# Altium PCB MainBoard_Layout_V2.PcbDoc (part 3 of 4)
Units mil, origin at the board's own origin, x right, y up, seen from the top; angles counter-clockwise.
Board outline 6119.77 x 4182.8 mil, 4 copper layers (Top Layer 1, Top Layer, Bottom Layer, Bottom Layer 1), stack 19.156 mil thick; 239 components, 227 nets, 1028 pads, 670 vias.
Unrouted connection lines stored in the file: 2.
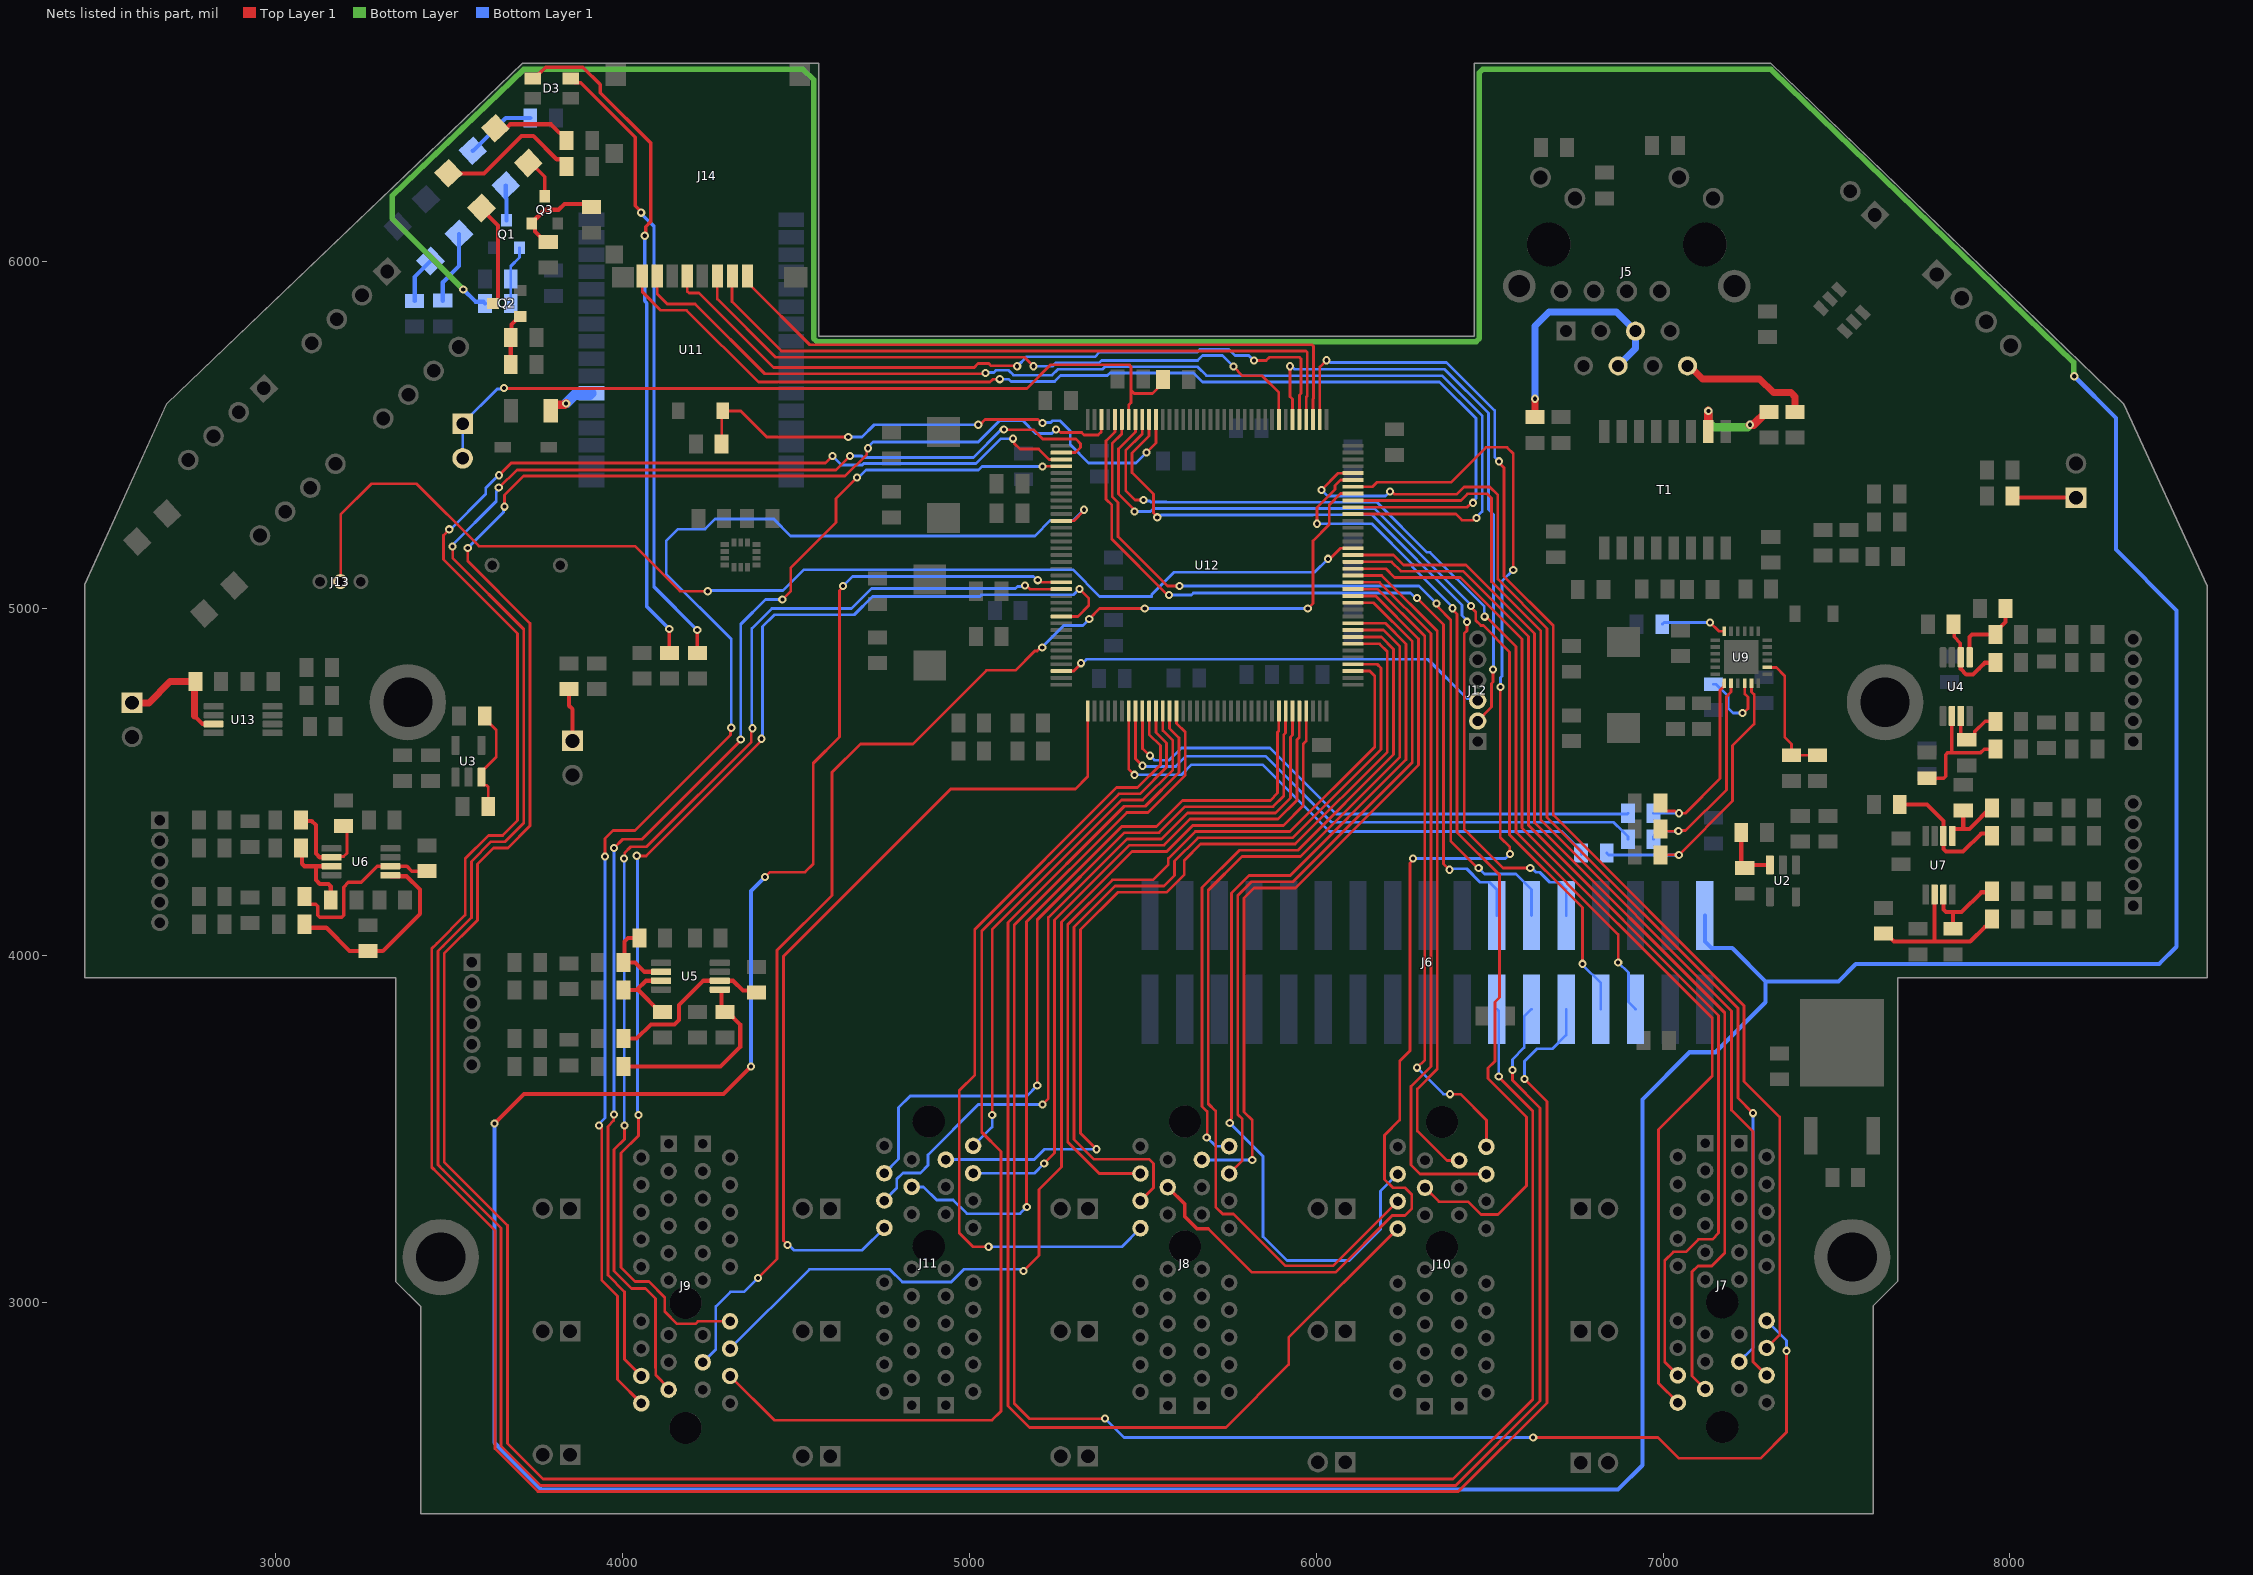
[diagram p5: the nets of this part, all layers, seen from the top]

## Via types
v1: diameter 23.62, hole 11.81, Top Layer 1 to Bottom Layer 1, tented both sides, 452 vias
v2: diameter 23.62, hole 11.81, Top Layer 1 to Bottom Layer 1, 166 vias
v3: diameter 23.62, hole 11.81, Top Layer 1 to Bottom Layer 1, tented bottom, 48 vias
v4: diameter 23.62/23.62/23.62/23.62 (per signal layer), hole 11.81, Top Layer 1 to Bottom Layer 1, 2 vias
v5: diameter 30, hole 15, Top Layer 1 to Bottom Layer 1, tented both sides, 1 vias
v6: diameter 23.62, hole 11.81, Top Layer 1 to Bottom Layer 1, tented top, 1 vias

## Nets (pads, with @x,y where several pads share a name; then routed paths per layer and width w, separated by ;. In a path a pad name is that pad's centre, name@x,y a point inside that pad or via, vN(x,y) a via of type N, cw(c..) or ccw(c..) an arc to the next point about the centre after c; other vN are vias at no path point) (continued)
NetD3_3: D3.3 R89.2 | length 1986.2
  Top Layer 1 w10: D3.3@3740.34,6528.42 3746.25,6528.42 3758.96,6541.14 3758.96,6542.09 3778.01,6561.14 3885.13,6561.14 3935.19,6511.08 3935.19,6487.83 4080.46,6342.55 4080.46,6114.85 4066.26,6100.65 4066.26,6077.48 v1(4063.65,6074.88) ; v3(4134.37,4940.97) 4134.37,4872.97 R89.2@4135.46,4871.88 4137.46,4871.88 R89.2@4150.46,4884.88
  Bottom Layer 1 w10: v1(4063.65,6074.88) 4063.65,5886.84 4069.46,5881.03 4069.46,5005.88 v3(4134.37,4940.97)
NetD3_4: D3.4 R88.2 | length 1819.4
  Top Layer 1 w10: D3.4@3850.58,6528.42 3863.29,6515.7 3879.03,6515.7 3903.4,6491.33 4035.92,6358.81 4035.92,6161.63 4053.46,6144.09 v1(4053.46,6141.45) ; v3(4215.23,4938.07) 4215.23,4872.1 R88.2@4215.46,4871.88
  Bottom Layer 1 w10: v1(4053.46,6141.45) 4053.46,6138.88 4090.46,6101.88 4090.46,5062.84 v3@4216.97,4936.33
NetD4_1: D4.1 R103.2 U12.134 | length 1539
  Top Layer 1 w8: R103.2@4285.46,5474.88 4285.46,5566.14 D4.1@4289.2,5569.88 4340.46,5569.88 4415.46,5494.88 v1(4650.46,5494.88) ; v1(5025.46,5529.88) 5029.69,5529.88 5044.69,5544.88 5197.96,5544.88 5207.96,5534.88 v1(5210.46,5534.88) ; v1(5510.46,5449.88) 5537.65,5477.07 U12.134@5537.65,5515.24
  Bottom Layer 1 w8: v1(4650.46,5494.88) 4690.46,5494.88 4725.46,5529.88 v1(5025.46,5529.88) ; v1(5210.46,5534.88) 5212.37,5536.79 5234.27,5536.79 5239.17,5541.69 5260.55,5541.69 5290.52,5511.72 5290.52,5472.52 5343.16,5419.88 5480.46,5419.88 v1(5510.46,5449.88)
NetDled1_1: Dled1.1 R1.1 | length 211.4
  Bottom Layer 1 w12: R1.1@3481.32,5887.74 3481.32,5940.74 3527.89,5987.3 Dled1.1@3527.89,6079.9
NetDled2_1: Dled2.1 R81.1 | length 204.8
  Bottom Layer 1 w12: Dled2.1@3568.03,6319.85 3663.06,6414.88 R81.1@3733.46,6414.88
NetDled2_2: Dled2.2 Q1.3 | length 101.7
  Bottom Layer 1 w12: Dled2.2@3662.89,6219.9 3662.89,6185.55 3665.46,6182.97 Q1.3@3665.46,6119.25
NetDled3_1: Dled3.1 R82.1 | length 134
  Bottom Layer 1 w12: R82.1@3400.46,5886.88 3400.46,5956.35 Dled3.1@3446.1,6001.99
NetDusr1_1: Dusr1.1 R83.2 | length 425.9
  Top Layer 1 w12: Dusr1.1@3498.03,6254.85 3600.44,6254.85 3708.44,6362.85 3742.48,6362.85 3809.98,6295.35 3824.46,6295.35 3839.59,6280.23 R83.2@3839.59,6274.88
NetDusr1_2: Dusr1.2 Q2.3 | length 301.8
  Top Layer 1 w12: Dusr1.2@3592.89,6154.9 3592.89,6152.45 3640.46,6104.88 3640.46,5894.25 3637.81,5891.59 3637.81,5889.62 3628.06,5879.88 Q2.3@3626.09,5879.88
NetDusr2_1: Dusr2.1 R91.2 | length 233.7
  Top Layer 1 w12: Dusr2.1@3633.03,6384.85 3664.45,6384.85 3675.81,6396.21 3793.62,6396.21 3818.45,6371.38 3824.46,6371.38 3838.46,6357.38 R91.2@3838.46,6349.88
NetDusr2_2: Dusr2.2 Q3.3 | length 109
  Top Layer 1 w10: Dusr2.2@3734.18,6286.16 3775.46,6244.88 Q3.3@3775.46,6194.25
NetF1_1: F1.1 U11.22 | length 140.8
  Top Layer 1 w25: F1.1@3792.94,5569.88 3792.94,5579.23 3801.11,5587.4 3832.98,5587.4 v2(3837.2,5591.62)
  Bottom Layer 1 w30: v2@3839.08,5593.5 3839.08,5593.7 3862.05,5616.67 3905.87,5616.67 U11.22@3909.81,5620.6
NetJ5_4: J5.4 J5.5 R70.1 | length 713.1
  Top Layer 1 w20: R70.1@6630.46,5551.88 v2(6630.46,5604.88)
  Bottom Layer 1 w20: v2(6630.46,5604.88) 6630.46,5814.88 6670.46,5854.88 6865.46,5854.88 J5.5@6920.46,5799.88 6920.46,5749.88 J5.4@6870.46,5699.88
NetJ5_8: J5.8 R71.1 | length 390.7
  Top Layer 1 w20: J5.8@7070.46,5699.88 7075.81,5699.88 7113.81,5661.88 7278.46,5661.88 7317.96,5622.38 7368.74,5622.38 7380.46,5610.66 R71.1@7380.46,5566.88
NetJ6_21: J6.21 U12.142 | length 9202.4
  Top Layer 1 w8: v1(3553.37,5174.92) 3553.37,5136.97 3732.85,4957.48 3732.85,4373.77 3668.96,4309.88 3628.16,4309.88 3581.89,4263.6 3581.89,4101.3 3485.46,4004.88 3485.46,3403.88 3667.66,3221.67 3667.66,2592.67 3770.46,2489.88 6394.55,2489.88 6624.31,2719.64 6624.31,3551.02 6526.21,3649.12 v2(6526.21,3650.63) ; v1(3659.25,5293.83) 3659.25,5326.9 3714.23,5381.88 4641.2,5381.88 4704.08,5444.75 4704.08,5459.21 v1(4707.07,5462.19) ; v1(5249.86,5515.88) 5254.19,5515.88 5262.52,5507.54 5323.56,5507.54 5330.47,5500.64 5371.16,5500.64 5380.17,5509.65 5380.17,5545.18 U12.142@5380.34,5545.35
  Bottom Layer 1 w8: v1(3553.37,5174.92) 3656.19,5277.74 3656.19,5290.77 v1(3659.25,5293.83) ; v1(4707.07,5462.19) 4707.07,5464.74 4722.2,5479.88 5025.46,5479.88 5087.29,5541.7 5153.63,5541.7 5190.46,5504.88 5237.37,5504.88 5248.37,5515.88 v1(5249.86,5515.88) ; J6.21@6520.46,3844.88 6526.21,3839.12 v2(6526.21,3650.63)
NetJ6_22: J6.22 U12.140 | length 2378.1
  Top Layer 1 w8: U12.140@5419.71,5545.35 5419.54,5545.17 5419.54,5509.65 5393.46,5483.57 5393.46,5315.19 5410.46,5298.19 5410.46,5199.88 5571.46,5038.88 v1(5575.46,5038.88) ; v2(6290.62,5030.09) 6366.93,4953.78 6366.93,4263.99 6383.82,4247.1 v2(6383.82,4246.94)
  Bottom Layer 1 w8: v1(5575.46,5038.88) 5639.46,5038.88 5645.46,5044.88 6271.51,5044.88 6286.1,5030.28 6290.43,5030.28 v2(6290.62,5030.09) ; v2(6383.82,4246.94) 6386.55,4249.67 6433.81,4249.67 6472.61,4210.88 6499.46,4210.88 6520.46,4189.88 J6.22@6520.46,4114.88
NetJ6_23: J6.23 U12.2 | length 9273.9
  Top Layer 1 w8: v1(3509.46,5179.22) 3510.46,5178.22 3510.46,5144.88 3714.85,4940.48 3714.85,4381.22 3661.51,4327.88 3620.71,4327.88 3563.89,4271.06 3563.89,4108.76 3482.46,4027.33 3467.46,4012.33 3467.46,3396.42 3482.46,3381.42 3649.66,3214.22 3649.66,2585.22 3763,2471.88 6402,2471.88 6645.46,2715.33 6645.46,3559.88 6565.46,3639.88 v2(6565.46,3669.88) ; v1(3642.93,5348.65) 3643.97,5348.65 3695.19,5399.88 4615.46,5399.88 v4(4655.46,5439.88) ; v2(5099.15,5515.89) 5184.45,5515.89 5211.46,5488.88 5306.77,5488.88 5320.46,5475.19 5320.46,5464.56 5305.75,5449.85 5265.16,5449.85 U12.2@5264.99,5449.68
  Bottom Layer 1 w8: v1(3509.46,5179.22) 3509.46,5183.34 3635.46,5309.34 3635.46,5336.86 3642.93,5344.33 v1(3642.93,5348.65) ; v4(4655.46,5439.88) 4689.32,5439.88 4693.32,5435.88 5011.46,5435.88 5088.42,5512.83 5096.09,5512.83 v2(5099.15,5515.89) ; v2(6565.46,3669.88) 6565.46,3699.88 6599.46,3733.88 6599.46,3823.88 J6.23@6620.46,3844.88
NetJ6_24: J6.24 U12.139 | length 2422.8
  Top Layer 1 w8: U12.139@5439.4,5545.35 5439.22,5545.17 5439.22,5503.88 5411.46,5476.11 5411.46,5322.65 5428.46,5305.65 5428.46,5207.33 5570.92,5064.88 v1(5605.46,5064.88) ; v2(6346.39,5014.88) 6346.39,5010.55 6352.4,5004.54 6352.4,5002.94 6387.46,4967.88 6387.46,4329.44 6464.85,4252.05 v2(6468.2,4252.05)
  Bottom Layer 1 w8: v1(5605.46,5064.88) 6296.39,5064.88 v2(6346.39,5014.88) ; v2(6468.2,4252.05) 6468.2,4251.64 6484.97,4234.88 6575.46,4234.88 6620.46,4189.88 J6.24@6620.46,4114.88
NetJ6_25: J6.25 U12.3 | length 9312.7
  Top Layer 1 w8: v1(3500.03,5228.45) 3500.03,5227.64 3483.46,5211.08 3483.46,5141.88 3696.85,4928.48 3696.85,4388.68 3654.05,4345.88 3613.25,4345.88 3545.89,4278.51 3545.89,4116.22 3464.46,4034.79 3449.46,4019.79 3449.46,3388.97 3464.46,3373.97 3631.66,3206.76 3631.66,2577.76 3755.55,2453.88 6409.46,2453.88 6665.46,2709.88 6665.46,3578.56 v2(6600.39,3643.63) ; v1(3643.1,5384.29) 3678.69,5419.88 4585.12,5419.88 v2(4604.96,5439.71) ; v2(5125.46,5489.89) 5125.46,5485.67 5129.29,5481.84 5129.29,5476.05 5145.46,5459.88 5199.58,5459.88 5229.29,5430.17 5264.81,5430.17 U12.3@5264.99,5429.99
  Bottom Layer 1 w8: v1(3500.03,5228.45) 3504.03,5228.45 3605.46,5329.88 3605.46,5347.96 3641.79,5384.29 v1(3643.1,5384.29) ; v2(4604.96,5439.71) 4630.6,5414.07 4690.95,5414.07 4694.76,5417.88 5018.92,5417.88 5090.93,5489.89 v2(5125.46,5489.89) ; v2(6600.39,3643.63) 6600.39,3694.8 6636.46,3730.88 6681.46,3730.88 6720.46,3769.88 J6.25@6720.46,3844.88
NetJ6_26: J6.26 U12.135 | length 2419.4
  Top Layer 1 w8: U12.135@5518.14,5545.35 5517.96,5545.18 5517.96,5498.11 5468.46,5448.6 5468.46,5391.88 5530.46,5329.88 5530.46,5275.56 5541.48,5264.54 v1(5541.48,5263.07) ; v1(6434.24,4961.7) 6434.24,4935.98 6426.46,4928.2 6426.46,4363.88 6538.52,4251.82 v2(6617.02,4251.82)
  Bottom Layer 1 w8: v1(5541.48,5263.07) 5545.71,5263.07 5552.52,5269.88 5990.78,5269.88 5991.39,5270.49 6160.3,5270.49 6420.26,5010.53 6420.26,4979.91 6434.24,4965.93 v1(6434.24,4961.7) ; v2(6617.02,4251.82) 6621.24,4251.82 6633.28,4239.78 6644.31,4239.78 6673.22,4210.88 6699.46,4210.88 6720.46,4189.88 J6.26@6720.46,4114.88
NetJ6_27: J6.27 U12.137 | length 2719.3
  Top Layer 1 w8: v1(5475.46,5279.88) 5475.46,5284.1 5429.46,5330.1 5429.46,5460.51 5478.59,5509.65 5478.59,5545.18 U12.137@5478.77,5545.35 ; v2(6446.52,5007.1) 6446.52,5002.87 6459.72,4989.68 6459.72,4965.86 6474.54,4951.04 6481.61,4951.04 6557.53,4875.13 6557.53,4347.81 6767.53,4137.81 v2(6767.53,3975.71)
  Bottom Layer 1 w8: v1(5475.46,5279.88) 5521.79,5279.88 5530.79,5288.88 5560.55,5288.88 5560.94,5288.49 6167.76,5288.49 6446.52,5009.72 v2(6446.52,5007.1) ; v2(6767.53,3975.71) 6767.53,3972.81 6820.46,3919.88 J6.27@6820.46,3844.88
NetJ6_29: J6.29 U12.136 | length 2741.5
  Top Layer 1 w8: U12.136@5498.45,5545.35 5498.45,5518.81 5498.28,5518.64 5498.28,5503.88 5450.46,5456.06 5450.46,5339.88 5477.32,5313.01 v1(5502.02,5313.01) ; v1(6485.53,4976.55) 6489.24,4976.55 6575.53,4890.26 6575.53,4355.26 6870.46,4060.33 v2(6870.46,3979.88)
  Bottom Layer 1 w8: v1(5502.02,5313.01) 5505.01,5310.03 5519.86,5310.03 5523.01,5306.88 5568.01,5306.88 5568.39,5306.49 5931.53,5306.49 6175.21,5306.49 6319.53,5162.17 6328.17,5162.17 6484.66,5005.68 6484.66,4977.42 v1(6485.53,4976.55) ; v2(6870.46,3979.88) 6899.97,3950.36 6899.97,3865.36 J6.29@6920.46,3844.88
NetJ6_34: J6.34 R84.2 U12.21 | length 19550.4
  Top Layer 1 w8: v3(4410.46,4225.88) 4424.46,4239.88 4525.46,4239.88 4549.52,4263.94 4549.52,4553.94 4625.46,4629.88 4625.46,5052.19 4635.46,5062.19 v3(4635.46,5064.88) ; v1(5197.04,5081.79) 5201.27,5081.79 5207.4,5075.66 U12.21@5264.99,5075.66
  Top Layer 1 w12: v2(3630.46,3514.88) 3715.46,3599.88 4290.46,3599.88 v2(4370.46,3679.88)
  Bottom Layer w16: v2(3540.46,5919.88) 3335.46,6124.88 3335.46,6189.88 3715.46,6554.88 4520.46,6554.88 4550.46,6524.88 4550.46,5779.25 4559.83,5769.88 6461.09,5769.88 6470.46,5779.25 6470.46,6545.5 6479.83,6554.88 7310.63,6554.88 7315.28,6550.37 8183.93,5709.88 8183.93,5671.41 v2(8185.46,5669.88)
  Bottom Layer 1 w8: v3(4635.46,5064.88) 4662.77,5092.19 5184.55,5092.19 5194.95,5081.79 v1(5197.04,5081.79)
  Bottom Layer 1 w12: v2(3540.46,5919.88) 3575.46,5884.88 3598.46,5884.88 R84.2@3603.46,5879.88 ; v2(3630.46,3514.88) 3630.46,2594.88 3765.46,2459.88 6870.46,2459.88 6940.46,2529.88 6940.46,3584.88 7076.39,3720.8 7151.39,3720.8 7295.46,3864.88 7295.46,3924.88 ; v2(4370.46,3679.88) 4370.46,4185.88 v3(4410.46,4225.88) ; J6.34@7120.46,4114.88 7120.46,4039.88 7139.46,4020.88 7199.46,4020.88 7295.46,3924.88 ; v2(8185.46,5669.88) 8305.46,5549.88 8305.46,5169.88 8480.46,4994.88 8480.46,4024.88 8430.46,3974.88 7555.46,3974.88 7505.46,3924.88 7295.46,3924.88
NetJ7_A12: J7.A12 U12.50 | length 4916.1
  Top Layer 1 w8: v2(5390.46,2664.88) 5389.46,2663.88 5173.56,2663.88 5128.89,2708.54 5128.89,4086.96 5453.81,4411.88 5514.4,4411.88 5622.46,4519.94 5622.46,4643.29 5597.05,4668.7 5597.05,4704.23 U12.50@5596.88,4704.4 ; v2(6625.46,2609.88) 6985.46,2609.88 7045.46,2549.88 7280.46,2549.88 7355.46,2624.88 v2(7355.46,2859.88)
  Bottom Layer 1 w8: v2(5390.46,2664.88) 5445.46,2609.88 v2(6625.46,2609.88) ; J7.A12@7298.41,2946.73 7355.46,2889.68 v2(7355.46,2859.88)
NetJ7_A14: J7.A14 U12.110 | length 3788.4
  Top Layer 1 w8: U12.110@6010.26,5545.35 6010.26,5696.68 v2(6029.46,5715.88) ; v2(6526.84,5424.49) 6526.84,5420.55 6541.46,5405.94 6541.46,5092.4 6683.53,4950.33 6683.53,4405.01 7233.63,3854.91 7233.63,3636.71 7336.19,3534.14 7336.19,2905.77 7308.57,2878.14 7308.57,2867.99 J7.A14@7298.41,2867.99
  Bottom Layer 1 w8: v2(6029.46,5715.88) 6033.79,5715.88 6039.79,5709.88 6375.46,5709.88 6514.29,5571.05 6514.29,5437.56 6526.84,5425.01 v2(6526.84,5424.49)
NetJ7_A15: J7.A15 U12.104 | length 3473.8
  Top Layer 1 w8: v1(6015.01,5341.88) 6015.01,5342.23 6063.22,5390.45 6105.76,5390.45 U12.104@6105.93,5390.62 ; v2(6212.73,5337.88) 6217.06,5337.88 6225.06,5329.88 6405.24,5329.88 6425.82,5350.47 6500.32,5350.47 6523.46,5327.33 6523.46,5084.95 6665.53,4942.88 6665.53,4397.56 7215.63,3847.46 7215.63,3588.58 v2(7259.25,3544.97)
  Bottom Layer 1 w8: v1(6015.01,5341.88) 6032.4,5324.49 6199.34,5324.49 v2(6212.73,5337.88) ; J7.A15@7219.67,2828.62 7259.25,2868.19 v2(7259.25,3544.97)
NetJ7_A16: J7.A16 U12.100 | length 3270.1
  Top Layer 1 w8: U12.100@6105.93,5311.88 6417.41,5311.88 6436.4,5330.88 6492.84,5330.88 6505.46,5318.26 6505.46,5077.49 6647.53,4935.42 6647.53,4390.1 7197.63,3840 7197.63,3553.68 7259.25,3492.06 7259.25,2828.41 J7.A16@7298.41,2789.25
NetJ7_B16: J7.B16 U12.91 | length 3076.1
  Top Layer 1 w8: U12.91@6105.93,5134.72 6216.92,5134.72 6243.76,5107.88 6422.92,5107.88 6611.53,4919.26 6611.53,4375.19 7159.74,3826.98 7159.74,3199.15 7141.94,3181.36 7101.94,3181.36 7065.75,3145.17 7030.04,3145.17 7004.73,3119.85 7004.73,2827.02 J7.B16@7042.51,2789.25
NetJ7_B17: J7.B17 U12.92 | length 3100.7
  Top Layer 1 w8: U12.92@6105.93,5154.4 6222.69,5154.4 6251.22,5125.88 6431.62,5125.88 6629.53,4927.97 6629.53,4382.65 7177.74,3834.44 7177.74,3142.15 7140.26,3104.67 7100.26,3104.67 7083.47,3087.88 7083.47,2787.65 J7.B17@7121.25,2749.88
NetJ7_B18: J7.B18 U12.90 | length 3087.5
  Top Layer 1 w8: U12.90@6105.93,5115.03 6200.46,5115.03 6225.62,5089.88 6415.46,5089.88 6593.53,4911.81 6593.53,4367.74 7141.74,3819.53 7141.74,3652.58 6986.73,3497.57 6986.73,2766.28 J7.B18@7042.51,2710.51
NetJ8_A12: J8.A12 U12.46 | length 2355
  Top Layer 1 w8: v2(5055.46,3159.88) 5010.46,3159.88 4970.46,3199.88 4970.46,3609.88 5015.46,3654.88 5015.46,4075.35 5423.99,4483.88 5484.58,4483.88 5550.46,4549.76 5550.46,4604.88 5518.14,4637.2 U12.46@5518.14,4704.4
  Bottom Layer 1 w8: v2(5055.46,3159.88) 5439.4,3159.88 J8.A12@5493.06,3213.54
NetJ8_A14: J8.A14 U12.76 | length 2438.9
  Top Layer 1 w8: J8.A14@5493.06,3292.28 5493.06,3298.92 5499.7,3298.92 5530.84,3330.06 5530.84,3399.81 5518.67,3411.98 5358.81,3411.98 5301.46,3469.33 5301.46,4081.33 5420.01,4199.88 5560.46,4199.88 5591.46,4230.88 5591.46,4271.67 5658.66,4338.88 5931.73,4338.88 6186.93,4594.08 6186.93,4828.4 6175.89,4839.44 U12.76@6105.93,4839.44
NetJ8_A15: J8.A15 U12.102 | length 3981.5
  Top Layer 1 w8: 5687.95,3212.38 5814.21,3086.12 6055.46,3086.12 6219.21,3249.88 6255.46,3249.88 6275.46,3269.88 6275.46,3309.86 6255.45,3329.88 6220.76,3329.88 6196.89,3353.74 6196.89,3481.31 6240.46,3524.88 6240.46,3694.88 6270.46,3724.88 6270.46,4266.77 6278.9,4275.2 v6(6278.9,4279.45) ; U12.102@6105.93,5351.25 6161.84,5351.25 6174.47,5363.88 6387.96,5363.88 6488.95,5464.88 6550.46,5464.88 6567.87,5447.46 v2(6567.87,5111.47) ; v1(6531.53,4773.46) 6530.46,4772.39 6530.46,4339.88 6558.18,4312.16 v2(6558.18,4292.16)
  Top Layer 1 w10: J8.A15@5571.8,3331.65 5621.42,3282.03 5621.42,3246.87 5655.91,3212.38 5687.95,3212.38
  Bottom Layer 1 w8: v6(6278.9,4279.45) 6545.47,4279.45 v2(6558.18,4292.16) ; v1(6531.53,4773.46) 6531.53,4800.94 6535.46,4804.88 6535.46,5079.06 v2(6567.87,5111.47)
NetJ8_A16: J8.A16 U12.75 | length 2254.4
  Top Layer 1 w8: J8.A16@5493.06,3371.02 5374.32,3371.02 5283.46,3461.88 5283.46,4088.79 5412.55,4217.88 5529.04,4217.88 5573.46,4262.29 5573.46,4279.13 5651.21,4356.88 5924.27,4356.88 6168.93,4601.54 6168.93,4804.88 6154.05,4819.76 U12.75@6105.93,4819.76
NetJ8_B16: J8.B16 U12.85 | length 2050.8
  Top Layer 1 w8: J8.B16@5748.97,3371.02 5786.75,3408.8 5786.75,3528.13 5773.46,3541.42 5773.46,4172.42 5813.29,4212.25 5932.37,4212.25 6276.93,4556.8 6276.93,4905.19 6165.51,5016.61 U12.85@6105.93,5016.61
NetJ8_B17: J8.B17 U12.86 | length 2176.7
  Top Layer 1 w8: v2(5815.46,3409.88) 5815.46,3524.88 5791.46,3548.88 5791.46,4164.96 5820.74,4194.25 5939.83,4194.25 6294.93,4549.35 6294.93,4912.65 6171.46,5036.12 6106.11,5036.12 U12.86@6105.93,5036.29
  Bottom Layer 1 w8: J8.B17@5670.23,3410.39 5670.74,3409.88 v2(5815.46,3409.88)
NetJ8_B18: J8.B18 U12.80 | length 1949.3
  Top Layer 1 w8: v2(5684.05,3474.88) 5685.46,3476.29 5685.46,3549.88 5670.52,3564.82 5670.52,4195.39 5778,4302.88 5946.64,4302.88 6222.93,4579.17 6222.93,4882.82 6187.75,4918.01 6106.11,4918.01 U12.80@6105.93,4918.18
  Bottom Layer 1 w8: v2(5684.05,3474.88) 5685.46,3474.88 5710.58,3449.76 J8.B18@5748.97,3449.76
NetJ9_A12: J9.A12 U12.26 | length 3554.8
  Top Layer 1 w8: v3(4040.74,4287.17) 4041.04,4286.88 4067.9,4286.88 4400.67,4619.64 v3(4400.67,4624.58) ; v2(4045.46,3539.88) 4045.46,3479.88 3995.46,3429.88 3995.46,3099.88 4035.46,3059.88 4075.46,3059.88 4121.46,3013.88 4121.46,2972.94 4156.76,2937.65 4209.76,2937.65 4216.87,2944.76 J9.A12@4309.67,2944.76 ; U12.26@5264.99,4977.24 5312.82,4977.24 5343.7,5008.11 5343.7,5030.03 v1(5317.7,5056.03)
  Bottom Layer 1 w8: v3(4040.74,4287.17) 4043.1,4284.81 4043.1,3542.23 v2(4045.46,3539.88) ; v3(4400.67,4624.58) 4403.46,4627.37 4403.46,4947.88 4437.68,4982.09 4667.68,4982.09 4720.46,5034.88 5030.46,5034.88 5035.46,5039.88 5299.91,5039.88 5316.06,5056.03 v1(5317.7,5056.03)
NetJ9_A14: J9.A14 U12.69 | length 3136.5
  Top Layer 1 w8: v2(5155.46,3089.88) 5200.46,3134.88 5200.46,3324.88 5265.46,3389.88 5265.46,4096.24 5469.09,4299.88 5568.75,4299.88 5643.75,4374.88 5905.46,4374.88 5962.29,4431.71 5962.29,4609.88 5970.89,4618.47 U12.69@5970.89,4704.4
  Bottom Layer 1 w8: J9.A14@4309.67,2866.02 4538.35,3094.69 4770.27,3094.69 4806.46,3058.5 4947.44,3058.5 4983.63,3094.69 5146.31,3094.69 5151.13,3089.88 v2(5155.46,3089.88)
NetJ9_A15: J9.A15 U12.101 | length 3854.1
  Top Layer 1 w8: v2(4390.46,3069.88) 4445.46,3124.88 4445.46,4014.88 4603.52,4172.94 4603.52,4527.94 4685.46,4609.88 4837.26,4609.88 5049.26,4821.88 5132.92,4821.88 5188.3,4877.26 5195.28,4877.26 5205.64,4887.61 v1(5209.97,4887.61) ; v1(5345.46,4969.88) 5375.46,4999.88 v1(5505.46,4999.88) ; v1(5975.46,4999.88) 5990.46,5014.88 5990.46,5195.33 6037.46,5242.33 6037.46,5298.62 6070.23,5331.4 6105.76,5331.4 U12.101@6105.93,5331.57
  Bottom Layer 1 w8: J9.A15@4230.93,2826.65 4268.71,2864.43 4268.71,2988.13 4310.46,3029.88 4350.46,3029.88 v2(4390.46,3069.88) ; v1(5209.97,4887.61) 5209.97,4889.38 5272.04,4951.46 5327.04,4951.46 v1(5345.46,4969.88) ; v1(5505.46,4999.88) v1(5975.46,4999.88)
NetJ9_A16: J9.A16 U12.47 | length 3155.7
  Top Layer 1 w8: J9.A16@4309.67,2787.28 4437.07,2659.88 5065.46,2659.88 5091.14,2685.55 5091.14,3190.65 5090.92,3190.86 5090.92,3434.51 5035.46,3489.97 5035.46,4069.89 5431.45,4465.88 5492.03,4465.88 5568.46,4542.31 5568.46,4612.33 5537.82,4642.97 U12.47@5537.82,4704.4
NetJ9_B16: J9.B16 U12.4 | length 3591.4
  Top Layer 1 w8: v2(3974.79,3541.22) 3974.11,3540.55 3974.11,3523.53 3957.46,3506.88 3957.46,3077.88 4005.46,3029.88 4005.46,2835.58 J9.B16@4053.77,2787.28 ; v3(3975.46,4309.88) 4000.46,4334.88 4055.46,4334.88 4340.46,4619.88 v3(4340.46,4622.19) ; v3(4460.46,5026.09) 4485.03,5050.66 4485.03,5117.88 4592.02,5224.88 4615.46,5248.31 4615.46,5317.45 v2(4675.88,5377.88) ; v1(5210.4,5409.94) 5210.6,5410.14 5264.81,5410.14 U12.4@5264.99,5410.31
  Bottom Layer 1 w8: v2(3974.79,3541.22) 3974.79,4309.2 v3(3975.46,4309.88) ; v3(4340.46,4622.19) 4340.46,4954.88 4411.68,5026.09 v3(4460.46,5026.09) ; v2(4675.88,5377.88) 4680.11,5377.88 4686.78,5384.55 4686.89,5384.55 4702.21,5399.88 5026.37,5399.88 5036.37,5409.88 5210.34,5409.88 v1(5210.4,5409.94)
NetJ9_B17: J9.B17 U12.22 | length 3424.6
  Top Layer 1 w8: v3(4004.35,4279.25) 4005.82,4280.71 4005.82,4295.46 4023.53,4313.17 4068.74,4313.17 4371.1,4615.53 4371.1,4651.44 v3(4374.46,4654.8) ; v2(4005.46,3509.88) 4005.46,3469.88 3975.46,3439.88 3975.46,3089.88 4025.46,3039.88 4065.46,3039.88 4094.73,3010.61 4094.73,2811 4095.46,2810.26 4095.46,2789.88 4132.51,2752.83 J9.B17@4132.51,2747.91 ; v1(5160.46,5066.38) 5163.96,5066.38 5174.36,5055.98 U12.22@5264.99,5055.98
  Bottom Layer 1 w8: v3(4004.35,4279.25) 4004.91,4278.7 4004.91,3510.43 v2(4005.46,3509.88) ; v3(4374.46,4654.8) 4372.46,4656.8 4372.46,4942.33 4430.22,5000.09 4660.22,5000.09 4718,5057.88 5132.65,5057.88 5138.16,5063.39 5157.47,5063.39 v1(5160.46,5066.38)
NetJ9_B18: J9.B18 U12.12 | length 4164.1
  Top Layer 1 w8: v2@3939.46,3505.19 3939.46,3063.88 3985.46,3017.88 3985.46,2776.84 J9.B18@4053.77,2708.54 ; v3(3948.98,4284.88) 3948.98,4336.72 3972.13,4359.88 4035.46,4359.88 4311.41,4635.82 4311.41,4654.5 v3(4313.21,4656.3) ; U12.12@5264.99,5252.83 5265.16,5253 5300.69,5253 5330.46,5282.77 v1(5330.46,5284.88)
  Bottom Layer 1 w8: v2(3931.46,3509.88) 3931.46,3514.1 3948.98,3531.62 v3(3948.98,4284.88) ; v3(4313.21,4656.3) 4313.21,4912.13 4125.46,5099.88 4125.46,5194.42 4159.92,5228.88 4237.69,5228.88 4266.69,5257.88 4435.69,5257.88 4484.12,5209.44 5188.52,5209.44 5233.95,5254.88 5300.46,5254.88 v1(5330.46,5284.88)
NetJ10_A12: J10.A12 U12.49 | length 3687
  Top Layer 1 w8: U12.49@5577.19,4704.4 5577.19,4654.51 5604.46,4627.24 5604.46,4527.39 5506.94,4429.88 5446.36,4429.88 5110.89,4094.41 5110.89,2701.09 5173.1,2638.88 5739.46,2638.88 5920.46,2819.88 5920.46,2897.7 J10.A12@6234.67,3211.91
NetJ10_A14: J10.A14 U12.81 | length 2778.7
  Top Layer 1 w8: U12.81@6105.93,4937.87 6193.34,4937.87 6240.93,4890.28 6240.93,4571.72 5954.09,4284.88 5785.46,4284.88 5688.52,4187.94 5688.52,3572.27 5709.86,3550.93 5709.86,3274.88 5730.24,3254.5 5761.44,3254.5 5911.06,3104.88 6048.76,3104.88 6234.53,3290.65 J10.A14@6234.67,3290.65
NetJ10_A15: J10.A15 U12.103 | length 2828.3
  Top Layer 1 w8: v1(6002.08,5244.68) 6002.08,5291.5 6054.38,5343.79 6054.38,5354.91 6070.23,5370.77 6105.76,5370.77 U12.103@6105.93,5370.94 ; J10.A15@6313.41,3330.02 6353.56,3289.88 6437.92,3289.88 6474.93,3252.87 6523.45,3252.87 6606.31,3335.73 6606.31,3534.02 6495.46,3644.88 6495.46,3674.88 6515.46,3694.88 6515.46,3865.88 6527.96,3878.38 6527.96,4232.38 6405.46,4354.88 6405.46,4984.23 6393.14,4996.56 v2(6393.14,5000.88)
  Bottom Layer 1 w8: v1(6002.08,5244.68) 6160.66,5244.68 6277.77,5127.57 6277.77,5120.27 6393.14,5004.9 v2(6393.14,5000.88)
NetJ10_A16: J10.A16 U12.82 | length 2791.5
  Top Layer 1 w8: v2(5750.46,3516.64) 5753.52,3519.71 5753.52,3527.39 5755.46,3529.33 5755.46,4179.88 5805.83,4230.25 5924.92,4230.25 6258.93,4564.26 6258.93,4897.73 6199.11,4957.55 U12.82@6105.93,4957.55
  Bottom Layer 1 w8: v2(5750.46,3516.64) 5846.34,3420.76 5846.34,3188.99 5915.46,3119.88 6095.46,3119.88 6185.46,3209.88 6185.46,3320.18 J10.A16@6234.67,3369.39
NetJ10_B16: J10.B16 U12.88 | length 2070.3
  Top Layer 1 w8: U12.88@6105.93,5075.66 6182.83,5075.66 6330.93,4927.56 6330.93,3679.89 6273.45,3622.41 6273.45,3395.3 6299.36,3369.39 J10.B16@6490.58,3369.39
NetJ10_B17: J10.B17 U12.89 | length 1930
  Top Layer 1 w8: U12.89@6105.93,5095.35 6188.6,5095.35 6348.93,4935.01 6348.93,3672.44 6291.45,3614.95 6291.45,3493.89 6376.58,3408.76 J10.B17@6411.84,3408.76
NetJ10_B18: J10.B18 U12.87 | length 1855.9
  Top Layer 1 w8: U12.87@6105.93,5055.98 6177.06,5055.98 6312.93,4920.1 6312.93,3698.66 v2(6290.47,3676.2) ; v2(6385.46,3599.88) 6415.46,3599.88 6490.58,3524.76 J10.B18@6490.58,3448.13
  Bottom Layer 1 w8: v2(6290.47,3676.2) 6366.8,3599.88 v2(6385.46,3599.88)
NetJ11_A12: J11.A12 U12.37 | length 2430.7
  Top Layer 1 w8: v2(4475.46,3164.88) 4475.46,3165.37 4463.46,3177.37 4463.46,3997.42 4945.92,4479.88 5305.46,4479.88 5340.97,4515.39 U12.37@5340.97,4704.4
  Bottom Layer 1 w8: v2(4475.46,3164.88) 4479.13,3164.88 4494.13,3149.88 4690.11,3149.88 J11.A12@4754.63,3214.39
NetJ11_A14: J11.A14 U12.67 | length 2243.3
  Top Layer 1 w8: v2(5210.46,3569.88) 5227.46,3586.88 5227.46,4109.16 5454.18,4335.88 5553.84,4335.88 5628.84,4410.88 5882.37,4410.88 5925.46,4453.97 5925.46,4629.88 5931.52,4635.94 U12.67@5931.52,4704.4
  Bottom Layer 1 w8: J11.A14@4754.63,3293.13 4790.46,3328.97 4790.46,3354.88 4808.32,3372.74 4858.32,3372.74 4880.46,3394.88 4880.46,3424.88 5025.46,3569.88 v2(5210.46,3569.88)
NetJ11_A15: J11.A15 U12.65 | length 2310.4
  Top Layer 1 w8: v2(5165.46,3274.88) 5164.46,3275.88 5164.46,4097.07 5439.27,4371.88 5538.93,4371.88 5613.93,4446.88 5867.46,4446.88 5888.46,4467.88 5888.46,4643.79 5891.98,4647.31 5891.98,4704.23 U12.65@5892.15,4704.4
  Bottom Layer 1 w8: J11.A15@4833.37,3332.5 4867.83,3332.5 4905.61,3294.72 4953.07,3294.72 4992.44,3255.35 5145.65,3255.35 5165.17,3274.88 v2(5165.46,3274.88)
NetJ11_A16: J11.A16 U12.66 | length 2215.7
  Top Layer 1 w8: v2(5195.46,3624.88) 5195.46,4102.61 5446.73,4353.88 5546.38,4353.88 5621.38,4428.88 5835.37,4428.88 5874.92,4428.88 5906.46,4460.42 5906.46,4499.97 5906.46,4636.33 5911.66,4641.54 5911.66,4704.23 U12.66@5911.84,4704.4
  Bottom Layer 1 w8: J11.A16@4754.63,3371.87 4795.59,3412.83 4795.59,3561.13 4829.33,3594.88 5165.46,3594.88 v2(5195.46,3624.88)
NetJ11_B16: J11.B16 U12.68 | length 2032.7
  Top Layer 1 w8: v2(5215.46,3399.88) 5245.46,3429.88 5245.46,4101.7 5461.64,4317.88 5561.29,4317.88 5636.29,4392.88 5889.83,4392.88 5944.29,4447.34 5944.29,4621.89 5951.03,4628.63 5951.03,4704.23 U12.68@5951.21,4704.4
  Bottom Layer 1 w8: J11.B16@5010.53,3371.87 5187.46,3371.87 v2(5215.46,3399.88)
NetJ11_B17: J11.B17 U12.79 | length 2617.7
  Top Layer 1 w8: v2(5366.57,3440.99) 5320.52,3487.04 5320.52,4074.94 5427.46,4181.88 5567.92,4181.88 5619.52,4233.48 5619.52,4274.27 5666.12,4320.88 5939.18,4320.88 6204.93,4586.63 6204.93,4875.37 6181.97,4898.32 6106.11,4898.32 U12.79@6105.93,4898.5
  Bottom Layer 1 w8: J11.B17@4931.79,3411.24 5186.83,3411.24 5216.57,3440.99 v2(5366.57,3440.99)
NetJ11_B18: J11.B18 U12.48 | length 1539.8
  Top Layer 1 w8: v2(5065.46,3539.88) 5065.46,4074.43 5438.9,4447.88 5499.49,4447.88 5586.46,4534.85 5586.46,4619.79 5557.51,4648.74 U12.48@5557.51,4704.4
  Bottom Layer 1 w8: J11.B18@5010.53,3450.61 5065.46,3505.54 v2(5065.46,3539.88)
NetJ12_2: J12.2 U12.114 | length 1697.4
  Top Layer 1 w8: v2(5924.31,5698.78) 5924.31,5611.03 5931.52,5603.81 U12.114@5931.52,5545.35 ; J12.2@6465.46,4675.82 6505.53,4715.89 6505.53,4784.23 6509.65,4788.35 v1(6509.65,4824.13)
  Bottom Layer 1 w8: v2(5924.31,5698.78) 5927.9,5698.78 5936.81,5689.88 6370,5689.88 6496.29,5563.59 6496.29,5285.96 6511.34,5270.91 6511.34,4825.82 v1(6509.65,4824.13)
NetJ12_3: J12.3 U12.34 | length 1261.5
  Top Layer 1 w8: U12.34@5264.99,4819.76 5265.16,4819.93 5300.69,4819.93 5321.75,4840.99 v1(5321.75,4842.49)
  Bottom Layer 1 w8: v1(5321.75,4842.49) 5325.98,4842.49 5332.65,4849.16 5332.75,4849.16 5337.52,4853.93 6321.4,4853.93 6434.8,4740.54 6450.74,4740.54 J12.3@6460.46,4730.82
NetJ13_2: J13.2 U12.93 | length 3396.1
  Top Layer 1 w8: J13.2@3186.41,5077.95 3187.05,5078.6 3187.05,5271.47 3275.46,5359.88 3405.46,5359.88 3585.46,5179.88 4035.46,5179.88 4165.12,5050.21 4245.12,5050.21 v3(4245.46,5049.88) ; v1(6033.99,5143.41) 6036.98,5146.4 6042,5146.4 6069.52,5173.92 6105.76,5173.92 U12.93@6105.93,5174.09
  Bottom Layer 1 w8: v3(4245.46,5049.88) 4247.68,5052.09 4462.68,5052.09 4522.8,5112.22 5298.12,5112.22 5375.46,5034.88 5525.46,5034.88 5525.46,5039.88 5590.46,5104.88 5995.46,5104.88 v1(6033.99,5143.41)
NetJ14_1: J14.1 U12.111 | length 1939
  Top Layer 1 w8: J14.1@4359.59,5959.05 4371.59,5947.05 4371.59,5928.74 4539.56,5760.78 5987.58,5760.78 5992.26,5756.09 5992.26,5605.77 5990.46,5603.96 5990.46,5545.47 U12.111@5990.58,5545.35
NetJ14_2: J14.2 U12.112 | length 1988.3
  Top Layer 1 w8: J14.2@4316.29,5959.05 4315.46,5958.22 4315.46,5884.88 4457.56,5742.78 5969.58,5742.78 5974.26,5738.09 5974.26,5613.22 5970.89,5609.85 U12.112@5970.89,5545.35
NetJ14_3: J14.3 U12.116 | length 1900.8
  Top Layer 1 w8: J14.3@4272.98,5959.05 4272.98,5892.36 4440.56,5724.78 5158.78,5724.78 v2(5184.78,5698.78) ; v2(5761.04,5697.53) 5787.5,5671.07 5844.27,5671.07 5891.98,5623.36 U12.116@5891.98,5545.52
  Bottom Layer 1 w8: v2(5184.78,5698.78) 5238.63,5698.78 5247.73,5707.88 5373.46,5707.88 5380.95,5715.37 5658.06,5715.37 5672.22,5729.53 5729.73,5729.53 5761.04,5698.22 v2(5761.04,5697.53)
NetJ14_5: J14.5 U12.113 | length 2129.8
  Top Layer 1 w8: J14.5@4186.37,5959.05 4186.37,5914.56 4191.05,5909.88 4220.46,5909.88 4435.17,5695.17 5013.75,5695.17 5025.12,5706.54 5055.63,5706.54 5062.22,5699.95 5136.51,5699.95 v2(5137.67,5698.78) ; v2(5820.46,5714.88) 5855.46,5714.88 5865.36,5724.78 5951.58,5724.78 5956.26,5720.09 5956.26,5620.68 5951.38,5615.8 5951.38,5545.52 U12.113@5951.21,5545.35
  Bottom Layer 1 w8: v2(5137.67,5698.78) 5164.77,5725.88 5361.46,5725.88 5375.46,5739.88 5657.11,5739.88 5664.76,5747.53 5747.81,5747.53 5765.46,5729.88 5805.46,5729.88 v2(5820.46,5714.88)
NetJ14_7: J14.7 U12.98 | length 3272.2
  Top Layer 1 w8: J14.7@4099.75,5959.05 4099.75,5906.9 4128.77,5877.88 4209.06,5877.88 4409.77,5677.17 5044.81,5677.17 v2(5046.52,5678.88) ; U12.98@6105.93,5272.51 6106.11,5272.34 6403,5272.34 6420.46,5254.88 6451.54,5254.88 6458.19,5261.53 v2(6462.42,5261.53)
  Bottom Layer 1 w8: v2(5046.52,5678.88) 5048.52,5680.87 5070.33,5680.87 5076.63,5687.17 5112.78,5687.17 5126.98,5672.97 5238.27,5672.97 5255.18,5689.88 5383.46,5689.88 5390.95,5697.37 5657.97,5697.37 5683.81,5671.53 6362.9,5671.53 6478.29,5556.14 6478.29,5279.34 6462.42,5263.48 v2(6462.42,5261.53)
NetJ14_8: J14.8 U12.99 | length 3226.7
  Top Layer 1 w8: J14.8@4056.44,5959.05 4056.44,5913.36 4109.93,5859.88 4184.54,5859.88 4391.54,5652.88 5059.11,5652.88 5067.11,5660.88 5086.84,5660.88 v2(5087.33,5661.36) ; U12.99@6105.93,5292.2 6106.11,5292.03 6435.11,5292.03 6447.96,5304.88 v2(6452.29,5304.88)
  Bottom Layer 1 w8: v2(5087.33,5661.36) 5113.13,5661.36 5119.53,5654.97 5245.73,5654.97 5262.64,5671.88 5397.46,5671.88 5404.95,5679.37 5645.97,5679.37 5671.81,5653.53 6355.44,5653.53 6460.29,5548.68 6460.29,5317.21 6452.29,5309.21 v2(6452.29,5304.88)
NetJ15_1: J15.1 R97.2 U13.3 | length 386.4
  Top Layer 1 w12: 2765.46,4689.88 2788.26,4667.08 U13.3@2830.81,4667.08
  Top Layer 1 w20: J15.1@2583.57,4728.27 2633.86,4728.27 2695.46,4789.88 R97.2@2768.46,4789.88 2765.46,4786.88 2765.46,4689.88
NetJ17_1: J17.1 R101.1 | length 153.7
  Top Layer 1 w12: R101.1@3845.46,4767.88 3845.46,4719.88 3855.46,4709.88 J17.1@3855.46,4618.3
NetJ18_1: J18.1 R102.1 | length 185.1
  Top Layer 1 w12: R102.1@8007.46,5324.88 8012.46,5319.88 J18.1@8190.46,5319.88
NetPboot1_1: Pboot1.1 Pboot1.2 R94.1 U12.138 | length 2374.6
  Top Layer 1 w8: v2(3658.34,5635.74) 3659.2,5634.88 5165.46,5634.88 5233.45,5702.87 5460.77,5702.87 5465.46,5698.18 5465.46,5629.88 ; U12.138@5459.08,5545.35 5459.25,5545.52 5459.25,5587.43 5465.46,5593.63 5465.46,5629.88 ; R94.1@5558.46,5659.88 5542.46,5643.88 5542.46,5634.56 5527.76,5619.87 5475.17,5619.87 5466.97,5628.07 5466.97,5628.37 5465.46,5629.88
  Bottom Layer 1 w8: Pboot1.2@3538.7,5433.11 Pboot1.1@3538.7,5533.11 3638.34,5632.75 3655.35,5632.75 v2(3658.34,5635.74)
NetQ1_1: Q1.1 R84.1 R86.1 | length 178.2
  Bottom Layer 1 w8: R84.1@3677.46,5879.88 3682.46,5879.88 3677.46,5884.88 R86.1@3677.46,5949.88 3677.46,5986.88 3702.86,6012.28 Q1.1@3702.86,6040.51
NetQ2_1: Q2.1 R85.1 R87.1 | length 150.7
  Top Layer 1 w12: R85.1@3677.39,5704.25 3677.39,5788.52 3679.88,5791.01 3679.88,5819.49 3702.86,5842.47 Q2.1@3704.83,5842.48
NetQ3_1: Q3.1 R92.1 R93.1 | length 273.6
  Top Layer 1 w12: R92.1@3785.46,6056.88 3777.96,6056.88 3747.81,6087.03 3747.81,6102.73 3738.06,6112.47 3775.46,6149.88 3815.46,6149.88 3832.46,6166.88 R93.1@3909.46,6166.88
NetR2_1: R2.1 R4.2 U2.3 | length 183.4
  Top Layer 1 w12: R4.2@7225.46,4354.88 7225.46,4261.88 R2.1@7235.46,4251.88 7240.46,4256.88 7244.33,4260.74 U2.3@7308.06,4260.74
NetR3_1: R3.1 R5.2 U3.3 | length 303.6
  Top Layer 1 w8: R3.1@3602.46,4689.88 3602.46,4682.38 3635.46,4649.38 3635.46,4572.16 3592.86,4529.56 3592.86,4498.46 3600.67,4490.65 3607.77,4490.65 3612.46,4485.96 R5.2@3612.46,4429.88
NetR6_2: R6.2 R8.1 U4.2 | length 374.8
  Top Layer 1 w10: R6.2@7760.46,4510.88 7809.6,4510.88 7815.46,4516.73 7815.46,4579.02 7821.32,4584.88 7832.96,4584.88 ; U4.2@7832.67,4690.23 7832.96,4689.94 7832.96,4584.88 ; R8.1@7958.46,4594.88 7925.79,4594.88 7915.79,4584.88 7832.96,4584.88
NetR9_2: R9.2 R11.1 U5.2 | length 226.7
  Top Layer 1 w12: R11.1@4002.46,3979.88 R11.1@4005.68,3979.88 ; R9.2@4048.46,4049.88 4015.46,4049.88 4005.68,4040.1 R11.1@4005.68,3979.88 ; U5.2@4110.82,3952.67 4062.66,3952.67 4035.46,3979.88 R11.1@4005.68,3979.88
NetR13_1: R13.1 R26.1 U4.3 | length 186.1
  Top Layer 1 w10: U4.3@7858.26,4690.23 7858.26,4636.88 7873.26,4621.88 R26.1@7875.46,4621.88 7882.96,4621.88 7897.96,4636.88 7897.96,4644.38 7928.46,4674.88 R13.1@7958.46,4674.88
NetR14_2: R14.2 R18.1 U4.6 | length 259.2
  Top Layer 1 w10: R14.2@7837.46,4954.88 7839.06,4953.27 7839.06,4918.23 7857.11,4900.18 7857.11,4860.66 U4.6@7858.26,4859.52
  Top Layer 1 w12: U4.6@7858.26,4859.52 7858.4,4859.38 7858.4,4825.34 7873.89,4809.85 7893.8,4809.85 7912,4828.05 7927.49,4843.54 7957.12,4843.54 R18.1@7958.46,4844.88
NetR16_1: R16.1 R28.1 U5.3 | length 220.7
  Top Layer 1 w12: R16.1@4002.46,3899.88 4040.46,3899.88 ; U5.3@4110.82,3927.08 4110.67,3926.94 4067.52,3926.94 4040.46,3899.88 ; R28.1@4115.46,3836.88 4107.96,3836.88 4044.96,3899.88 4040.46,3899.88
NetR19_2: R19.2 R21.1 U5.6 | length 491.7
  Top Layer 1 w12: R21.1@4002.46,3759.88 4040.46,3759.88 4081.46,3800.88 4149.59,3800.88 4162.52,3813.81 4162.52,3856.94 4232.66,3927.08 U5.6@4280.11,3927.08 4280.25,3926.94 4318.4,3926.94 4346.99,3898.35 4379.99,3898.35 R19.2@4385.46,3892.88
NetR23_1: R23.1 R27.1 U4.5 | length 222.9
  Top Layer 1 w12: U4.5@7883.85,4859.52 7883.85,4917.85 7890.88,4924.88 R23.1@7958.46,4924.88 7958.46,4932.38 7987.18,4961.1 7987.18,4999.6 R27.1@7987.46,4999.88
NetR25_1: R25.1 R29.1 U5.5 | length 555
  Top Layer 1 w12: R25.1@4002.46,3679.88 4282.59,3679.88 4338.96,3736.25 4338.96,3800.88 4302.96,3836.88 R29.1@4295.46,3836.88 4285.46,3846.88 4285.46,3898.04 4282.01,3901.49 U5.5@4280.11,3901.49
NetR30_2: R30.2 R32.1 U6.2 | length 312.6
  Top Layer 1 w8: U6.2@3160.82,4282.67 3162.96,4284.81 3195.71,4284.81 3205.46,4294.56 3205.46,4362.88 R30.2@3195.46,4372.88
  Top Layer 1 w12: R32.1@3072.46,4389.88 3074.68,4387.65 3103.43,4387.65 3115.46,4375.62 3115.46,4293.99 3126.63,4282.81 3160.67,4282.81 U6.2@3160.82,4282.67
NetR34_1: R34.1 R50.1 U6.3 | length 264.8
  Top Layer 1 w12: R34.1@3072.46,4309.88 3075.46,4306.88 3075.46,4264.11 3082.49,4257.08 3115.46,4257.08 ; R50.1@3158.46,4159.88 3158.46,4199.01 3151.43,4206.04 3126.63,4206.04 3115.46,4217.22 3115.46,4257.08 ; U6.3@3160.82,4257.08 3115.46,4257.08
NetR35_2: R35.2 R37.1 U7.2 | length 490.6
  Top Layer 1 w12: R35.2@7635.46,4062.88 7642.96,4062.88 7656.96,4048.88 7656.96,4048.38 7665.46,4039.88 7782.81,4039.88 7885.56,4039.88 7929.06,4083.38 7934.46,4083.38 7948.46,4097.38 R37.1@7948.46,4104.88 ; U7.2@7782.67,4175.23 7782.81,4175.09 7782.81,4042.53 7785.46,4039.88
NetR38_2: R38.2 R40.1 U6.6 | length 511.8
  Top Layer 1 w10: R40.1@3082.46,4169.88 3082.46,4162.38 3097.46,4147.38 3114.74,4147.38 3120.59,4141.52 3120.59,4115.73 3126.45,4109.88 3189.6,4109.88 3195.46,4115.73 3195.46,4196.94 3209.15,4210.63 3246.22,4210.63 3292.28,4256.69 3329.72,4256.69 U6.6@3330.11,4257.08 3378.26,4257.08 3392.46,4242.88 R38.2@3435.46,4242.88
NetR42_1: R42.1 R52.1 U7.3 | length 263.8
  Top Layer 1 w12: U7.3@7808.26,4175.23 7808.4,4175.09 7808.4,4131.88 7815.43,4124.85 7835.46,4124.85 ; R52.1@7835.46,4076.88 7835.46,4124.85 ; R42.1@7948.46,4195.91 7934.46,4181.91 7917.49,4181.91 7860.43,4124.85 7835.46,4124.85
NetR44_1: R44.1 R51.1 U6.5 | length 581.8
  Top Layer 1 w12: R44.1@3082.46,4089.88 3092.46,4079.88 3145.46,4079.88 3212.46,4012.88 3257.96,4012.88 3308.46,4012.88 3415.46,4119.88 3415.46,4189.88 3377.29,4228.04 3333.55,4228.04 U6.5@3330.11,4231.49
NetR45_2: R45.2 R47.1 U7.6 | length 391.8
  Top Layer 1 w12: R45.2@7682.46,4434.88 7760.46,4434.88 7808.11,4387.22 7808.11,4344.66 7808.4,4344.38 7808.4,4306.94 7815.75,4299.58 7865.17,4299.58 7917.49,4351.91 7945.49,4351.91 R47.1@7948.46,4354.88
NetR49_1: R49.1 R53.1 U7.5 | length 210.3
  Top Layer 1 w12: U7.5@7833.85,4344.52 7833.85,4361.43 7837.29,4364.88 7865.46,4364.88 7883.46,4364.88 R49.1@7948.46,4429.88 ; 7865.46,4367.46 R53.1@7865.46,4417.88
NetR54_1: R54.1 R72.1 U9.14 | length 372.9
  Top Layer 1 w8: U9.14@7300.26,4830.35 7326.54,4830.35 7350.46,4806.43 7350.46,4629.88 7370.46,4609.88 R72.1@7370.46,4576.88 R54.1@7445.46,4576.88
NetR56_1: R56.1 R66.1 U9.11 | length 851.3
  Top Layer 1 w8: R56.1@6992.46,4289.88 v2(7045.41,4289.88) ; v2@7045.36,4289.83 7200.46,4444.92 7200.46,4604.88 7262.58,4666.99 7262.58,4752 7254.99,4759.59 U9.11@7254.99,4785.07
  Bottom Layer 1 w8: R66.1@6837.46,4294.88 6842.51,4289.83 v2@7045.36,4289.83
NetR58_1: R58.1 R64.1 U9.7 | length 579.1
  Top Layer 1 w8: R58.1@6992.46,4439.88 6992.46,4432.38 7008.46,4416.38 7034.63,4416.38 v2@7041.13,4409.88 ; v2(7045.46,4409.88) 7064.71,4409.88 7164.46,4509.63 7164.46,4764.62 7174.93,4775.1 7174.93,4783.76 U9.7@7176.25,4785.07
  Bottom Layer 1 w8: R64.1@6972.46,4409.88 v2(7045.46,4409.88)
NetR60_1: R60.1 R63.1 U9.8 | length 640.8
  Top Layer 1 w8: R60.1@6992.46,4364.88 6999.11,4358.23 v2(7043.95,4358.23) 7045.5,4359.78 7064.82,4359.78 7182.46,4477.41 7182.46,4745.62 7195.93,4759.1 U9.8@7195.93,4785.07
  Bottom Layer 1 w8: R63.1@6972.46,4334.88 6972.46,4342.23 6988.46,4358.23 v2(7043.95,4358.23)
NetR63_2: R63.2 U12.44 | length 1682.2
  Top Layer 1 w8: U12.44@5478.77,4704.4 5478.77,4566.86 v1(5498.94,4546.69)
  Bottom Layer 1 w8: v1(5498.94,4546.69) 5500.75,4544.88 5594.55,4544.88 5624.05,4574.37 5853.54,4574.37 6044.19,4383.72 6857.11,4383.72 6882.46,4358.38 6898.46,4342.38 R63.2@6898.46,4334.88
NetR64_2: R64.2 U12.45 | length 1616.3
  Top Layer 1 w8: U12.45@5498.45,4704.4 5498.63,4704.23 5498.63,4596.04 5518.86,4575.8 v1(5520.57,4575.8)
  Bottom Layer 1 w8: v1(5520.57,4575.8) 5533.49,4562.88 5576.09,4562.88 5611.42,4598.2 5866.41,4598.2 6056.74,4407.88 6896.46,4407.88 R64.2@6898.46,4409.88
NetR65_1: R65.1 U9.10 | length 236.5
  Top Layer 1 w8: v2(7228.99,4698.77) 7231.89,4698.77 7244.58,4711.45 7244.58,4744.54 7235.67,4753.45 7235.67,4784.7 U9.10@7235.3,4785.07
  Bottom Layer 1 w8: R65.1@7145.46,4781.88 7152.96,4781.88 7186.96,4747.88 7186.96,4713.38 7201.57,4698.77 v2(7228.99,4698.77)
NetR66_2: R66.2 U12.43 | length 1605.1
  Top Layer 1 w8: U12.43@5459.08,4704.4 5459.08,4537.72 v1(5476.12,4520.69)
  Bottom Layer 1 w8: v1(5476.12,4520.69) 5611.27,4520.69 5640.46,4549.88 5845,4549.88 6038,4356.88 6708.2,4356.88 6746.7,4318.38 6747.46,4318.38 6764.78,4301.06 R66.2@6764.78,4290.56
NetR67_2: R67.2 U9.24 | length 191.3
  Top Layer 1 w8: v2(7135.46,4959.88) 7160.66,4934.68 U9.24@7176.25,4934.68
  Bottom Layer 1 w8: R67.2@6997.46,4954.88 7002.46,4959.88 v2(7135.46,4959.88)
NetR68_1: R68.1 T1.10 | length 290.5
  Top Layer 1 w25: T1.10@7130.46,5510.7 v2(7130.46,5569.88) ; v2(7250.46,5529.88) 7260.96,5529.88 7297.96,5566.88 R68.1@7305.46,5566.88
  Bottom Layer w25: v2(7130.46,5569.88) 7130.46,5537.75 7145.1,5523.1 7243.69,5523.1 v2(7250.46,5529.88)